# Altium PCB AATB-V2.PcbDoc (part 5 of 5)
Units mm, origin at the board's own origin, x right, y up, seen from the top; angles counter-clockwise.
Board outline 236 x 177 mm, 2 copper layers (Top Layer, Bottom Layer), stack 1.571 mm thick; 302 components, 313 nets, 1275 pads, 1266 vias.
Unrouted connection lines stored in the file: 1.
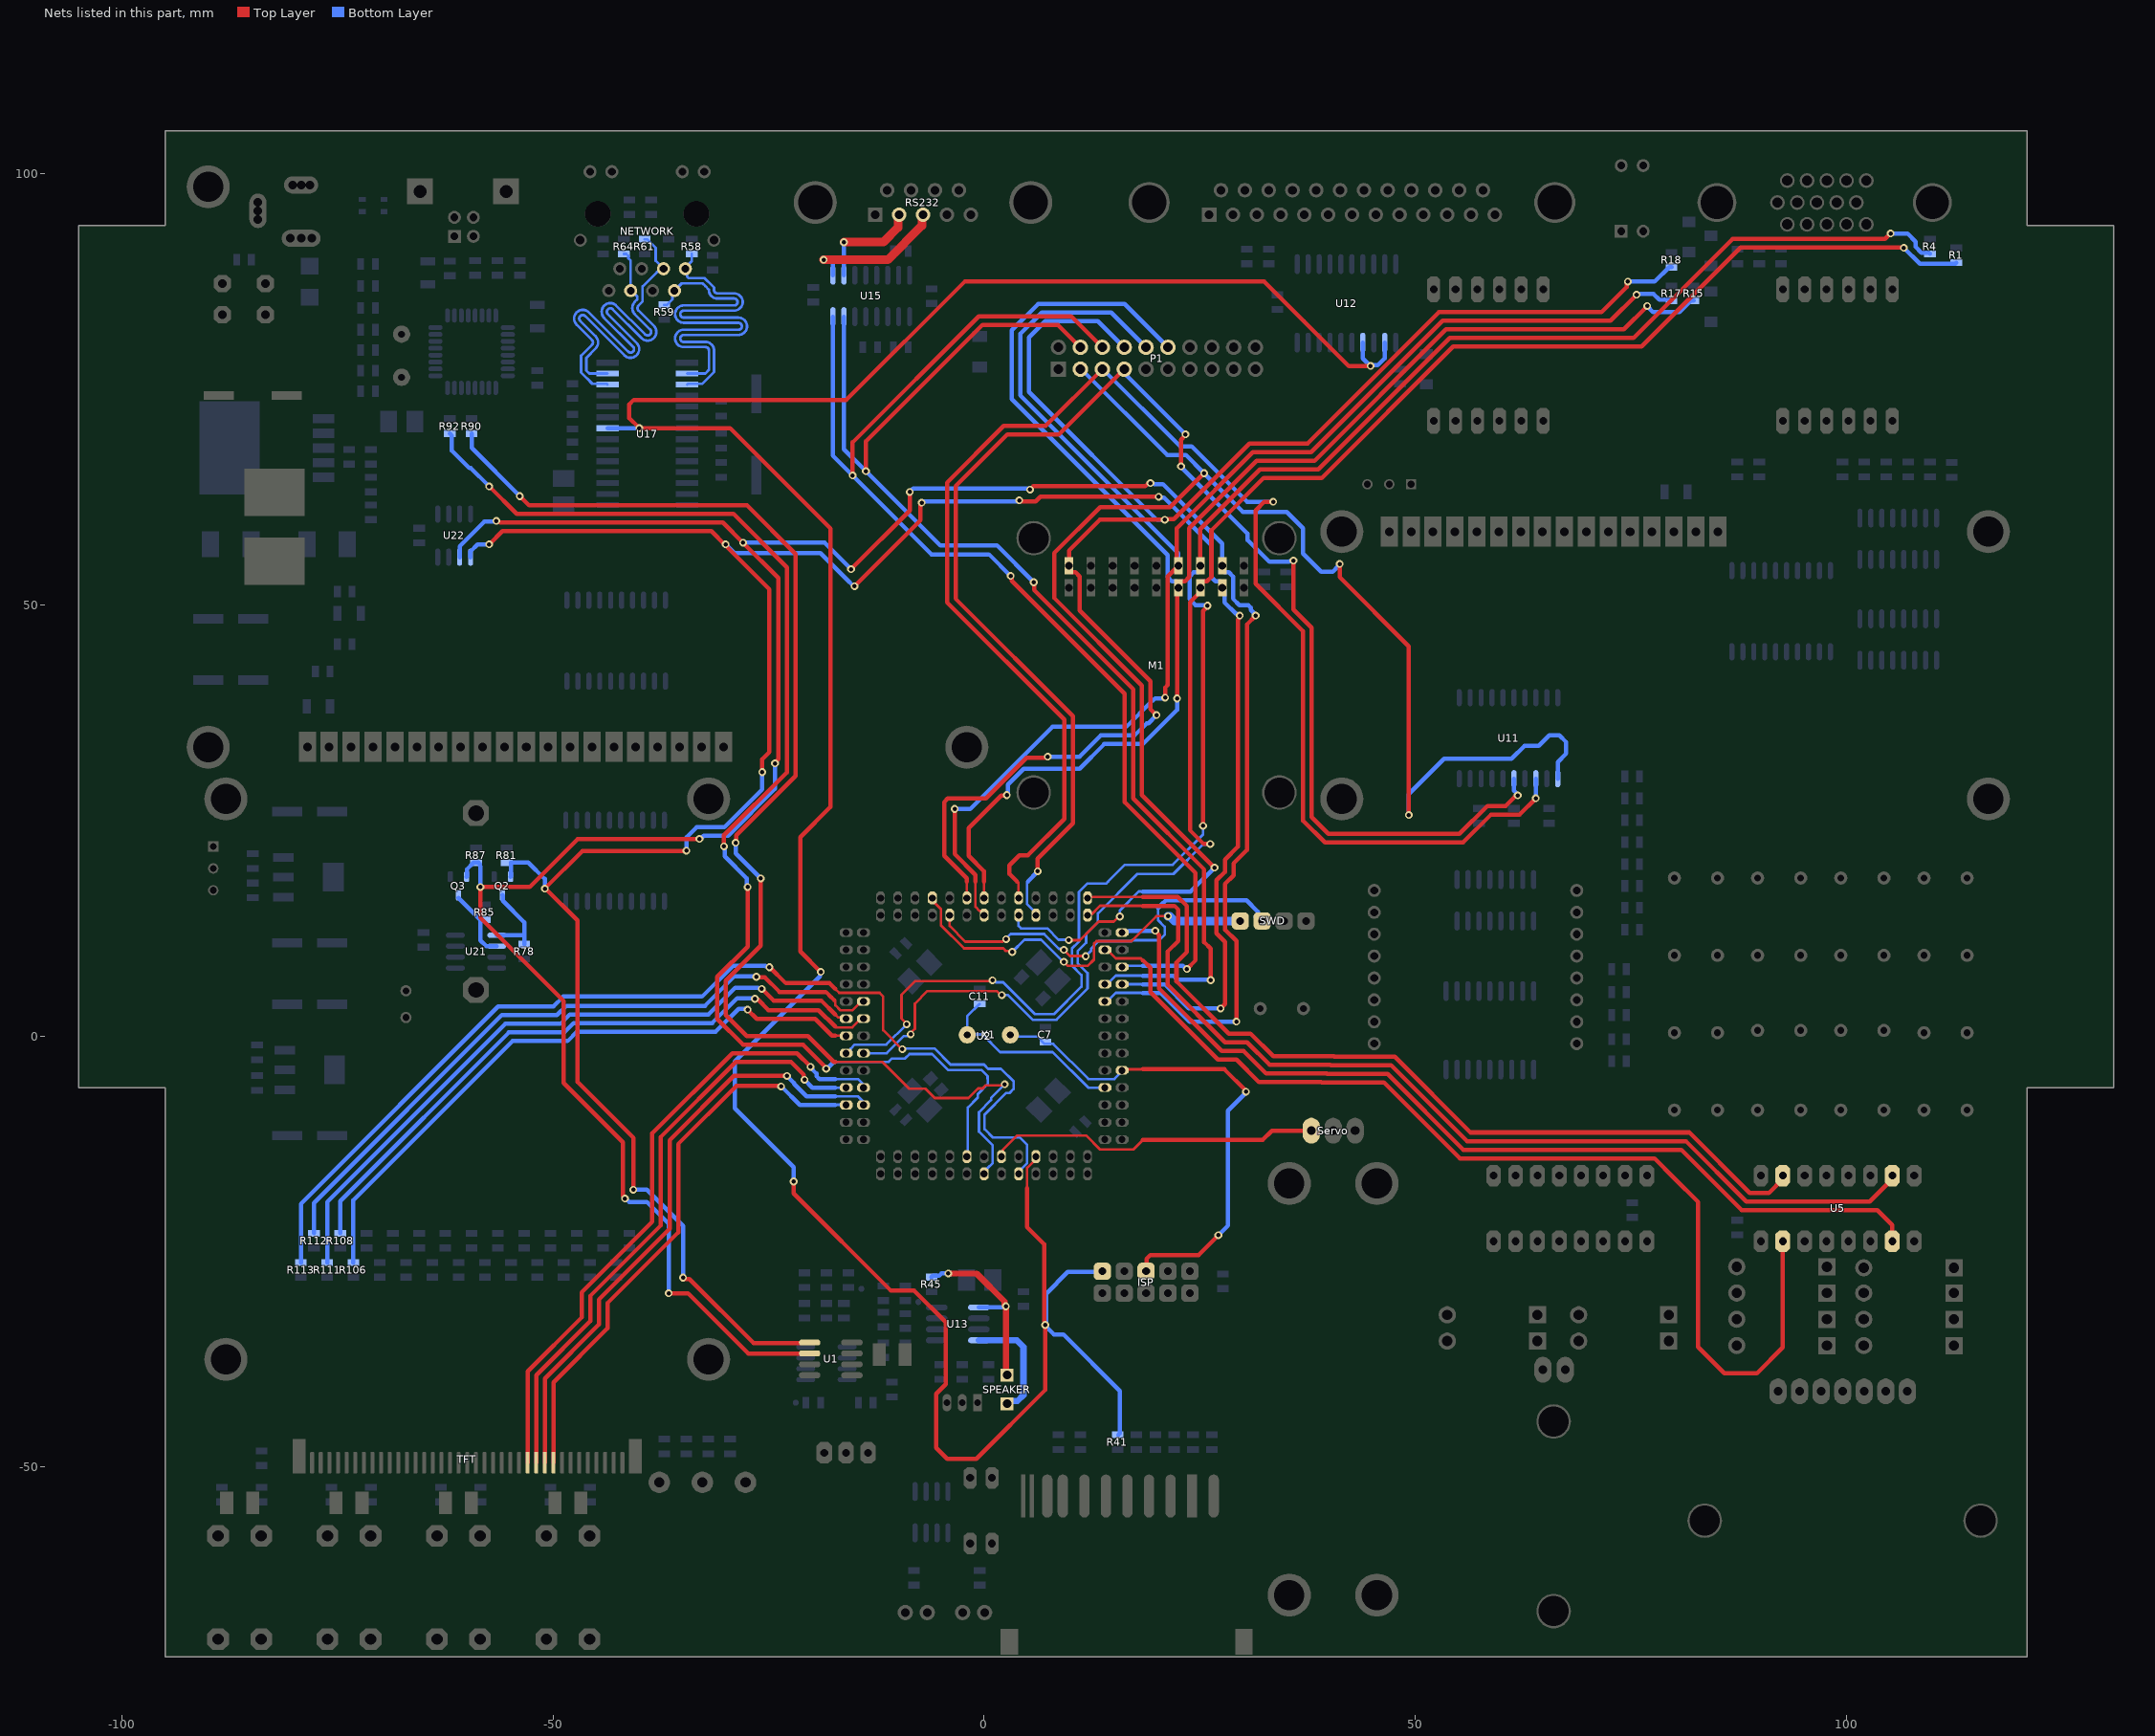
[diagram p5: the nets of this part, all layers, seen from the top]

## Via types
v1: diameter 0.9, hole 0.5, Top Layer to Bottom Layer, tented both sides, 1265 vias
v2: diameter 0.9, hole 0.5, Top Layer to Bottom Layer, 1 vias

## Nets (pads, with @x,y where several pads share a name; then routed paths per layer and width w, separated by ;. In a path a pad name is that pad's centre, name@x,y a point inside that pad or via, vN(x,y) a via of type N, cw(c..) or ccw(c..) an arc to the next point about the centre after c; other vN are vias at no path point) (continued)
ROW6: P1.7 U2.58 U11.15 | length 175.3
  Top Layer w0.5: v1(6.214,19.12) 6.206,19.128 6.206,20.57 10.304,24.668 10.304,37.113 -3.308,50.725 -3.308,63.774 2.685,69.767 8.667,69.767 P1.7@16.252,77.352 ; v1(22.851,66.068) 22.851,69.177 23.364,69.691 v1(23.364,69.799) ; v1(35.88,55.155) 35.88,49.486 38,47.366 38,25.39 39.95,23.44 55.143,23.44 58.403,26.7 60.523,26.7 61.523,27.7 61.596,27.7 61.796,27.9 v1(61.905,27.9)
  Bottom Layer w0.3: 5.075,17.916 5,17.841 5,15.293 6.077,14.216 U2.58@6.077,13.922
  Bottom Layer w0.5: 5.075,17.916 6.214,19.056 v1(6.214,19.12) ; P1.7@16.252,77.352 16.252,77.081 16.592,76.741 16.592,76.571 v1(23.364,69.799) ; v1(22.851,66.068) 22.851,65.99 30.573,58.268 30.573,57.538 33.111,55 35.389,55 35.467,55.078 35.803,55.078 v1(35.88,55.155) ; U11.15@61.464,29.852 61.483,29.833 61.483,28.43 61.905,28.008 v1(61.905,27.9)
ROW7: P1.5 U2.59 U11.13 | length 179.8
  Top Layer w0.3: 3.845,17.916 4,17.761 U2.59@4,16.486
  Top Layer w0.5: 3.845,17.916 2.94,18.821 2.94,19.794 4.106,20.961 4.565,20.961 4.568,20.964 5.076,20.964 9.304,25.192 9.304,36.699 -4.308,50.311 -4.308,64.188 2.271,70.767 7.127,70.767 P1.5@13.712,77.352 ; v1(33.528,61.976) 32.512,61.976 31.5,60.964 31.5,52.452 37,46.952 37,24.976 39.536,22.44 55.558,22.44 58.818,25.7 62.136,25.7 v1(64.004,27.568)
  Bottom Layer w0.5: P1.5@13.712,77.352 13.785,77.352 22.724,68.414 24.083,68.414 30.52,61.976 v1(33.528,61.976) ; v1(64.004,27.568) U11.13@64.004,29.852
ROW8: P1.3 U2.60 U11.11 | length 196.9
  Top Layer w0.3: v1(9.82,11.113) 11.114,11.114 13.287,13.287 15.037,13.287 15.602,13.852 v1(15.744,13.852)
  Top Layer w0.5: v1(25.518,65.282) 21.589,61.353 13.461,61.353 8.124,56.016 8.124,50.826 18.304,40.646 18.304,27.965 v1(26.736,19.533) ; v1(41.245,54.767) 41.245,53.243 49.272,45.216 v1(49.272,25.64)
  Bottom Layer w0.3: U2.60@4,14 4,12.764 4.288,12.476 7.336,12.476 8.636,11.176 9.757,11.176 v1(9.82,11.113) ; v1(15.744,13.852) 15.744,14.562 17.946,16.764 18.432,16.764
  Bottom Layer w0.5: P1.3@11.172,77.352 11.284,77.352 21.222,67.414 23.386,67.414 v1(25.518,65.282) 30.023,60.776 35.113,60.776 37,58.889 37,55.964 39.116,53.848 40.452,53.848 41.058,54.453 41.058,54.47 41.245,54.658 v1(41.245,54.767) ; 18.432,16.764 23.967,16.764 v1(26.736,19.533) ; v1(49.272,25.64) 49.272,28.076 53.352,32.156 61.198,32.156 62.706,33.664 64.336,33.664 65.566,34.894 66.714,34.894 67.525,34.083 67.525,32.764 66.544,31.783 U11.11@66.544,29.852
RXD: P1.4 U2.45 U15.7 | length 145.9
  Top Layer w0.5: v1(-13.716,65.532) -13.716,68.981 -0.201,82.496 8.568,82.496 P1.4@11.172,79.892 ; v1(5.765,52.641) 5.809,52.596 5.809,51.727 17.304,40.232 17.304,27.551 25.536,19.319 25.536,10.884 26.289,10.131 v1(26.289,6.477)
  Bottom Layer w0.3: U2.45@14.504,6.136 14.504,6.211 15.293,7 18.432,7
  Bottom Layer w0.5: U15.7@-16.26,83.448 -16.26,68.076 v1(-13.716,65.532) -5.08,56.896 1.509,56.896 v1(5.765,52.641) ; 18.432,7 21.969,7 22.418,6.551 26.215,6.551 v1(26.289,6.477)
RXD2: R92.2 U2.12 | length 150.5
  Top Layer w0.5: v1(-57.404,63.754) -54.206,60.556 -29.06,60.556 -22.864,54.36 -22.864,30.578 -30.17,23.271 v1(-30.17,21.993) ; v1(-27.432,17.272) -27.432,10.38 -30.96,6.852 -30.96,2.004 -27.95,-1.006 -21,-1.006 -18.312,-3.694 v1(-18.312,-3.8)
  Bottom Layer w0.3: -17.276,-3 -11.088,-3 -10.692,-2.604 -9.162,-2.604 -8.656,-2.098 -6.029,-2.098 -4.163,-3.964 -0.281,-3.964 0.408,-4.652 0.408,-4.933 0.42,-4.945 0.42,-5.58 -0.732,-6.731 -0.732,-7.142 -1.89,-8.3 -1.89,-13.878 U2.12@-2.036,-14.024
  Bottom Layer w0.5: R92.2@-61.98,69.898 -61.73,69.648 -61.73,67.908 -59.691,65.869 -59.519,65.869 v1(-57.404,63.754) ; v1(-30.17,21.993) -30.094,21.916 -30.094,20.856 -27.509,18.271 -27.509,17.349 v1(-27.432,17.272) ; v1(-18.312,-3.8) -18.215,-3.8 -17.415,-3 -17.276,-3
S-RX: RS232.2 U15.10 | length 12.4
  Top Layer w1: v1(-16.26,92.084) -11.688,92.084 -9.986,93.786 -9.986,95.148 RS232.2@-9.854,95.28
  Bottom Layer w0.5: U15.10@-16.26,88.24 U15.10@-16.26,88.248 v1(-16.26,92.084)
S-TX: RS232.3 U15.9 | length 17
  Top Layer w1: v1(-18.616,90.052) -11.18,90.052 -7.216,94.016 -7.216,95.148 RS232.3@-7.084,95.28
  Bottom Layer w0.5: v1(-18.616,90.052) -17.916,90.052 -17.563,89.699 -17.563,89.151 -17.549,89.138 -17.549,88.267 U15.9@-17.53,88.248
SCK: ISP.2 R41.1 U2.20 U12.12 U12.14 U17.8 | length 335.3
  Top Layer w0.3: 5,-17.667 5,-15.293 6,-14.293 U2.20@6,-14
  Top Layer w0.5: v1(-22.095,-16.875) -22.095,-18.257 -10.801,-29.551 -8.092,-29.551 -4.45,-33.193 -4.45,-40.404 -5.564,-41.518 -5.564,-47.776 -4.284,-49.056 -0.906,-49.056 7.112,-41.038 v1@7.112,-33.528 ; v1(-18.948,7.436) -21.324,9.812 -21.324,23.081 -17.816,26.589 -17.816,58.876 -29.457,70.518 v1(-39.989,70.518) -41.152,71.681 -41.152,73.288 -40.644,73.796 -15.972,73.796 -2.256,87.512 32.508,87.512 37.08,82.94 42.296,77.724 v1(44.83,77.724) ; 5,-17.667 5,-22.172 6.962,-24.134 6.962,-33.095 7.035,-33.169 7.035,-33.473 v1(7.087,-33.524)
  Bottom Layer w0.5: U17.8@-43.692,70.494 -40.53,70.494 -40.516,70.508 -39.999,70.508 v1(-39.989,70.518) ; v1(-22.095,-16.875) -22.095,-15.209 -28.912,-8.392 -28.912,-2.953 -19.024,6.934 -19.024,7.36 v1(-18.948,7.436) ; v1(7.087,-33.524) 7.087,-33.615 8.115,-34.644 9.22,-34.644 15.748,-41.172 15.748,-46.108 R41.1@15.598,-46.258 ; v1@7.112,-33.528 7.189,-33.451 7.189,-29.895 9.715,-27.369 13.639,-27.369 ISP.2@13.712,-27.296 ; U12.14@43.938,80.444 43.938,78.616 v1(44.83,77.724) ; v1@44.836,77.724 44.913,77.801 45.657,77.801 46.478,78.622 U12.12@46.478,80.444
SCL: M1.16 Q3.3 R87.1 U1.2 U2.43 U22.6 | length 329.6
  Top Layer w0.5: v1(-56.578,59.754) -56.37,59.754 -56.171,59.556 -30.29,59.556 v1(-27.954,57.22) -23.88,53.146 -23.88,32.545 -23.88,32.109 -24.249,31.74 v1(-24.249,31.632) ; v1(-41.66,-18.855) -41.66,-18.747 -41.884,-18.523 -41.884,-12.34 -48.768,-5.456 -48.768,4.064 -58.424,13.72 -58.424,17.268 v1(-58.42,17.272) -52.728,17.272 -47.14,22.86 v1(-33.02,22.86) ; v1(-36.58,-29.836) -34.332,-29.836 -27.347,-36.821 U1.2@-20.234,-36.821 ; v1(-15.431,54.154) -8.622,60.964 v1(-8.622,63.11) ; v1(5.33,63.382) 5.712,63.764 18.712,63.764 19.092,64.144 v1(19.3,64.144) ; v1(29.276,1.66) 29.276,11.014 27.964,12.326 27.964,17.65 28.936,18.622 28.936,20.042 30.48,21.586 30.48,47.733 31.496,48.749 v1(31.496,48.768)
  Bottom Layer w0.3: U2.43@14.504,4.136 14.504,4.211 15.293,5 18.432,5
  Bottom Layer w0.5: U22.6@-60.837,55.548 -60.837,56.798 -57.963,59.672 -56.661,59.672 v1(-56.578,59.754) ; Q3.3@-60.014,18.483 -59.998,18.499 -59.998,19.323 -59.207,20.114 -58.657,20.114 -58.507,19.964 -58.507,19.754 -58.42,19.667 v1(-58.42,17.272) ; v1(-41.66,-18.855) -41.552,-18.855 -41.167,-19.24 -39.131,-19.24 -36.58,-21.791 v1(-36.58,-29.836) ; v1(-33.02,22.86) -32.917,22.86 -32.527,23.25 -30.192,23.25 -29.692,23.25 -24.249,28.693 v1(-24.249,31.632) ; v1(-27.954,57.22) -18.497,57.22 v1(-15.431,54.154) ; v1(-8.622,63.11) -8.216,63.515 5.197,63.515 v1(5.33,63.382) ; 18.432,5 20.51,5 23.85,1.66 v1(29.276,1.66) ; v1(19.3,64.144) 19.377,64.067 19.659,64.067 19.73,63.997 20.764,63.997 27.62,57.141 M1.16@27.62,54.54 27.62,54.04 27.87,53.79 28.391,53.79 28.87,53.311 28.87,50.729 29.632,49.968 30.645,49.968 30.938,49.675 30.938,49.434 31.496,48.876 v1(31.496,48.768)
SCL-TTL: Q3.1 R85.1 U21.6 | length 8.1
  Bottom Layer w0.5: Q3.1@-60.964,16.008 -58.424,13.468 -58.424,11.097 -57.769,10.442 -56.551,10.442 U21.6@-56.532,10.423
SDA: M1.15 Q2.3 R81.1 U1.1 U2.44 U22.5 | length 307.2
  Top Layer w0.5: v1(-57.408,57.032) -55.884,58.556 -31.638,58.556 -30.045,56.963 -24.896,51.814 -24.896,32.944 -25.724,32.116 v1(-25.724,30.616) ; v1(-50.962,17.095) -46.585,21.472 -34.559,21.472 v1(-34.533,21.498) ; v1@-50.911,17.146 -47.175,13.41 -47.175,-5.313 -40.684,-11.804 v1(-40.684,-17.837) ; v1(-34.917,-28.03) -34.77,-28.177 -34.175,-28.177 -26.749,-35.603 -21.24,-35.603 -21.188,-35.551 U1.1@-20.234,-35.551 ; v1(-15.027,52.169) -7.37,59.826 -7.37,61.725 v1(-7.237,61.858) ; v1(4.078,62.13) 4.212,61.997 5.977,61.997 6.533,62.553 v1(20.249,62.553) ; v1(27.428,3.184) 27.94,3.696 27.94,10.936 26.964,11.912 26.964,18.064 27.936,19.036 27.936,20.456 29.464,21.984 29.464,48.301 29.571,48.408 29.571,48.691 v1(29.648,48.768)
  Bottom Layer w0.3: U2.44@16.504,6.136 16.64,6 18.432,6
  Bottom Layer w0.5: U22.5@-59.567,55.548 -59.567,56.221 -58.756,57.032 v1(-57.408,57.032) ; Q2.3@-54.934,18.483 -54.901,18.516 -54.901,20.081 -54.868,20.114 -52.86,20.114 -50.962,18.216 v1(-50.962,17.095) ; v1(-40.684,-17.837) -40.666,-17.819 -39.137,-17.819 -34.917,-22.04 v1(-34.917,-28.03) ; v1(-34.533,21.498) -34.533,23.044 -33.327,24.25 -30.106,24.25 -25.724,28.632 v1(-25.724,30.616) ; v1(-29.976,57.032) -28.964,56.02 -18.994,56.02 -15.928,52.954 -15.92,52.954 -15.135,52.169 v1(-15.027,52.169) ; v1(-7.237,61.858) -7.1,61.994 3.942,61.994 v1(4.078,62.13) ; 18.432,6 20.924,6 23.74,3.184 v1(27.428,3.184) ; v1(20.249,62.553) 20.326,62.476 20.836,62.476 26.345,56.967 26.345,53.254 26.849,52.75 27.37,52.75 27.62,52.5 M1.15@27.62,52 27.87,51.75 27.87,50.315 29.217,48.968 29.34,48.968 29.54,48.768 v1(29.648,48.768)
SDA-TTL: Q2.1 R78.1 U21.5 | length 9.9
  Bottom Layer w0.5: U21.5@-56.532,11.693 -53.349,11.693 -53.344,11.688 ; Q2.1@-55.884,16.333 -55.834,16.283 -55.834,15.698 -53.344,13.208 -53.344,11.688 ; R78.1@-53.344,10.638 -53.344,11.688
SEM-CONT: Servo.3 U2.16 | length 38
  Top Layer w0.3: U2.16@2.188,-13.702 2.188,-13.186 3.832,-11.542 11.835,-11.542 13.451,-13.158 17.322,-13.158 18.432,-12.048
  Top Layer w0.5: 18.432,-12.048 32.313,-12.048 33.381,-10.98 Servo.3@37.394,-10.98
SP+: SPEAKER.2 U13.8 | length 13.4
  Bottom Layer w0.5: SPEAKER.2@2.674,-42.651 SPEAKER.2@2.979,-42.346
  Bottom Layer w0.74: U13.8@-0.602,-35.297 3.801,-35.297 4.568,-36.064 4.568,-41.66 3.882,-42.346 SPEAKER.2@2.979,-42.346
SP-: R45.1 SPEAKER.1 U13.5 | length 21.8
  Top Layer w0.5: v1@2.389,-31.213 v1(2.536,-31.36) ; SPEAKER.1@2.536,-39.185 SPEAKER.1@2.674,-39.324
  Top Layer w0.7: v1(-4.147,-27.553) -0.873,-27.553 2.389,-30.814 v1@2.389,-31.213 ; SPEAKER.1@2.536,-39.185 v1(2.536,-31.36)
  Bottom Layer w0.5: R45.1@-6.1,-27.97 -5.95,-27.82 -5.226,-27.82 -4.959,-27.553 v1(-4.147,-27.553) ; U13.5@-0.602,-31.487 2.409,-31.487 v1(2.536,-31.36)
STM-IN1: U2.52 U5.2 | length 115.8
  Top Layer w0.3: 12.504,14.136 13.467,15.099 18.432,15.099
  Top Layer w0.5: 18.432,15.099 22.095,15.099 22.536,14.658 22.536,11.045 21.32,9.829 21.32,5.919 27.964,-0.725 30.504,-0.725 33.137,-3.358 40.157,-3.358 40.204,-3.404 47.224,-3.404 56.01,-12.19 81.41,-12.19 88.41,-19.19 102.75,-19.19 105.35,-16.59 U5.2@105.35,-16.19
STM-IN2: U2.51 U5.7 | length 102.3
  Top Layer w0.3: 12.504,16.136 18.432,16.136
  Top Layer w0.5: 18.432,16.136 22.472,16.136 23.536,15.072 23.536,9.743 22.32,8.527 22.32,6.333 28.378,0.275 30.918,0.275 33.551,-2.358 40.572,-2.358 40.618,-2.404 47.638,-2.404 56.424,-11.19 81.824,-11.19 88.824,-18.19 91.05,-18.19 92.65,-16.59 U5.7@92.65,-16.19
STM-IN3: U2.49 U5.10 | length 123.8
  Top Layer w0.3: U2.49@14.504,10.136 14.504,9.789 15.293,9 18.209,9 18.432,8.777
  Top Layer w0.5: 18.432,8.777 19.304,7.905 19.304,5.107 27.136,-2.725 29.273,-2.725 31.906,-5.358 39.128,-5.358 39.174,-5.404 46.396,-5.404 55.182,-14.19 77.754,-14.19 80.042,-16.478 82.804,-19.24 82.804,-36.068 85.852,-39.116 89.662,-39.116 92.65,-36.128 U5.10@92.65,-23.81
STM-IN4: U2.50 U5.15 | length 109.1
  Top Layer w0.5: v1(19.852,12.201) 19.852,12.175 20.32,11.708 20.32,5.505 27.55,-1.725 30.09,-1.725 32.723,-4.358 39.743,-4.358 39.789,-4.404 46.81,-4.404 55.596,-13.19 80.886,-13.19 87.886,-20.19 103.634,-20.19 105.35,-21.906 U5.15@105.35,-23.81
  Bottom Layer w0.5: U2.50@16,12 16.146,12.146 16.739,12.146 16.793,12.201 v1(19.852,12.201)
SWCLK: SWD.1 U2.69 | length 45.1
  Top Layer w0.3: U2.69@-6,16 -6,15.707 -5,14.707 -5,12.849 -2.328,10.177 2.215,10.177 2.527,9.865 3.15,9.865 v1(3.265,9.75) ; v1(9.25,8.602) v1(9.25,8.602) 9.726,8.128 12.013,8.128 12.75,8.865 12.75,10.718 13.032,11 17.096,11 19.995,13.899 v1(21.336,13.899)
  Bottom Layer w0.3: v1(3.265,9.75) 4.691,11.176 6.616,11.176 9.19,8.602 v1(9.25,8.602)
  Bottom Layer w1: v1(21.336,13.899) 21.534,13.899 22.089,13.344 SWD.1@29.714,13.344
SWDIO: SWD.2 U2.68 | length 46.8
  Top Layer w0.3: U2.68@-4,14 -4,12.768 -2.178,10.946 2.17,10.946 2.466,11.242 v1(2.553,11.242) ; v1(9.25,10.001) 9.965,9.286 11.772,9.286 v1(11.8,9.258)
  Bottom Layer w0.3: v1(2.553,11.242) 2.553,11.295 3.083,11.826 6.97,11.826 8.681,10.115 9.135,10.115 v1(9.25,10.001) ; v1(11.8,9.258) 11.8,9.295 12.418,9.913 12.418,10.125 13.293,11 17.096,11 17.197,11.101 18.432,11.101 20.308,11.101 20.952,11.745 20.952,12.656 20.186,13.423 20.186,14.7 20.198,14.712 20.198,14.854
  Bottom Layer w0.5: 20.198,14.854 20.584,15.24 21.092,15.748 30.431,15.748 31.754,14.425 SWD.2@31.754,13.844
  Bottom Layer w1: SWD.2@31.754,13.844 SWD.2@32.254,13.344
TFT-CSX: R113.2 U2.17 | length 125.5
  Top Layer w0.3: -17.276,5.461 -16.815,5 -12.112,5 -11.702,4.59 -11.702,0.658 -9.519,-1.525 v1(-9.471,-1.525)
  Top Layer w0.5: v1(-24.892,7.976) -24.853,7.976 -22.997,6.12 -17.935,6.12 -17.276,5.461
  Bottom Layer w0.3: v1(-9.471,-1.525) -9.394,-1.448 -5.76,-1.448 -3.894,-3.314 -0.011,-3.314 0.484,-3.809 1.971,-3.809 3.433,-5.272 3.433,-5.607 3.427,-5.613 3.427,-6.163 2.986,-6.604 2.564,-6.604 0.06,-9.108 0.06,-10.794 1.044,-11.778 4.158,-11.778 5,-12.62 5,-14.75 4,-15.75 U2.17@4,-16
  Bottom Layer w0.5: R113.2@-79.252,-26.28 -79.252,-19.472 -56.368,3.412 -49.964,3.412 -48.804,4.572 -32.721,4.572 -29.149,8.144 -25.343,8.144 -25.251,8.053 -24.969,8.053 v1(-24.892,7.976)
TFT-DCX: R112.2 U2.85 | length 80.5
  Top Layer w0.3: -17.276,4.054 -17.25,4.028 -17.25,3.543 -16.707,3 -15.25,3 -14.25,4 U2.85@-14,4
  Top Layer w0.352: -17.35,4.128 -17.276,4.054
  Top Layer w0.5: v1(-26.419,6.867) -26.342,6.791 -25.404,6.791 -23.733,5.12 -18.349,5.12 -17.69,4.461 -17.683,4.461 -17.35,4.128
  Bottom Layer w0.5: R112.2@-77.728,-22.89 -77.728,-19.362 -55.954,2.412 -49.55,2.412 -48.454,3.508 -32.371,3.508 -28.935,6.944 -26.495,6.944 v1(-26.419,6.867)
TFT-RDX: R108.2 U2.87 | length 76
  Top Layer w0.3: -17.276,1.084 -17.192,1 -16.707,1 -15.293,1 -14.293,2 U2.87@-14,2
  Top Layer w0.5: v1(-26.577,4.319) -26.501,4.243 -26.276,4.243 -26.221,4.188 -26.196,4.188 -25.002,2.994 -19.186,2.994 -17.276,1.084
  Bottom Layer w0.5: R108.2@-74.68,-22.89 -74.68,-19.142 -55.126,0.412 -48.722,0.412 -47.626,1.508 -31.542,1.508 -28.662,4.388 -26.646,4.388 v1(-26.577,4.319)
TFT-RSTX: R106.2 U2.88 | length 75.3
  Top Layer w0.3: -17.276,0.055 U2.88@-15.609,0.055
  Top Layer w0.5: v1(-27.434,3.05) -26.378,1.994 -19.6,1.994 -17.662,0.055 -17.276,0.055
  Bottom Layer w0.5: R106.2@-73.156,-26.28 -73.156,-19.033 -54.711,-0.588 -48.307,-0.588 -47.211,0.508 -31.128,0.508 -28.468,3.168 -27.914,3.168 -27.873,3.127 -27.511,3.127 v1(-27.434,3.05)
TFT-WRX: R111.2 U2.86 | length 79
  Top Layer w0.3: -17.276,2.498 -16.924,2.146 -16.146,2.146 U2.86@-16,2
  Top Layer w0.5: v1(-25.78,5.47) -24.43,4.12 -18.898,4.12 -17.276,2.498
  Bottom Layer w0.5: R111.2@-76.204,-26.28 -76.204,-19.252 -55.54,1.412 -49.136,1.412 -48.04,2.508 -31.956,2.508 -28.876,5.588 -26.181,5.588 -26.14,5.547 -25.857,5.547 v1(-25.78,5.47)
Touch+X: TFT.27 U2.94 | length 71
  Top Layer w0.5: TFT.27@-51.952,-49.5 -51.952,-39.332 -45.688,-33.068 -45.688,-30.16 -37.484,-21.956 -37.484,-11.697 -28.794,-3.006 -22.394,-3.006 -20.923,-4.477 -20.905,-4.495 -20.905,-5.003 v1(-20.828,-5.08)
  Bottom Layer w0.3: -17.276,-6 -15.632,-6 U2.94@-15.496,-5.864
  Bottom Layer w0.5: v1(-20.828,-5.08) -19.908,-6 -17.276,-6
Touch+Y: TFT.26 U2.95 | length 74.6
  Top Layer w0.5: TFT.26@-52.952,-49.5 -52.952,-38.917 -46.688,-32.653 -46.688,-29.745 -38.484,-21.541 -38.484,-11.282 -29.208,-2.006 -21.697,-2.006 v1(-20.124,-3.579)
  Bottom Layer w0.3: -17.276,-5 -14.61,-5 U2.95@-13.746,-5.864
  Bottom Layer w0.5: v1(-20.124,-3.579) -20.124,-3.687 -19.449,-4.362 -19.449,-4.646 -19.095,-5 -17.276,-5
Touch-X: TFT.29 U2.96 | length 66.5
  Top Layer w0.5: TFT.29@-49.952,-49.5 -49.952,-40.16 -43.688,-33.896 -43.688,-30.988 -35.484,-22.784 -35.484,-12.525 -28.763,-5.804 -23.595,-5.804 v1(-23.541,-5.858)
  Bottom Layer w0.3: -17.276,-8 -17.252,-7.976 U2.96@-15.608,-7.976
  Bottom Layer w0.5: v1(-23.541,-5.858) -23.503,-5.858 -21.36,-8 -17.276,-8
Touch-Y: TFT.28 U2.97 | length 70.6
  Top Layer w0.5: TFT.28@-50.952,-49.5 -50.952,-39.746 -44.688,-33.482 -44.688,-30.574 -36.484,-22.37 -36.484,-12.111 -29.007,-4.633 v1(-22.862,-4.633)
  Bottom Layer w0.3: -17.276,-7 -17.135,-7 -14.61,-7 U2.97@-13.746,-7.864
  Bottom Layer w0.5: v1(-22.862,-4.633) -22.862,-4.639 -22.028,-5.473 -22.028,-5.577 -20.605,-7 -17.276,-7
TPIN_N: NETWORK.6 R64.2 U17.12 | length 45.8
  Bottom Layer w0.3: -47.265,82.52 cw(c-46.556,83.231) -47.266,83.941 cw(c-46.556,83.231) -45.947,84.029 -45.934,84.029 -41.298,79.392 ccw(c-41.013,79.679) -40.727,79.392 ; -47.265,82.52 -45.491,80.746 cw(c-45.776,80.459) -45.491,80.173 -46.479,79.185 ccw(c-46.268,78.972) -46.48,79.183 -46.74,78.924 -46.74,78.808 -46.74,76.958 -46.226,76.444 -46.001,76.22 -45.442,75.66 -43.778,75.66 U17.12@-43.692,75.574 ; R64.2@-41.787,90.726 -41.512,90.726 -41.262,90.476 -41.262,90.201 -40.993,89.932 NETWORK.6@-40.993,86.467 -40.928,86.467 -40.228,85.767 -40.228,85.504 -40.228,85.436 -40.511,85.153 ccw(c-39.802,84.442) -40.511,83.73 -38.737,81.957 ; -40.729,79.966 -44.061,83.298 cw(c-43.352,84.009) -44.062,84.719 cw(c-43.352,84.009) -42.743,84.807 -42.73,84.807 -39.307,81.384 ccw(c-39.022,81.67) -38.737,81.956 ; -40.728,79.965 cw(c-41.013,79.679) -40.727,79.393
TPIN_P: NETWORK.3 R61.2 U17.13 | length 47.7
  Bottom Layer w0.3: -46.843,83.516 ccw(c-46.556,83.231) -46.843,82.946 -45.067,81.17 cw(c-45.776,80.459) -45.067,79.748 -46.055,78.76 cw(c-46.268,78.972) -46.056,78.759 -46.14,78.675 -46.14,78.208 -46.14,77.207 -45.777,76.844 U17.13@-43.692,76.844 ; -46.842,83.517 cw(c-46.556,83.231) -46.27,83.516 -41.724,78.97 ccw(c-41.013,79.679) -40.303,78.969 ccw(c-41.013,79.679) -40.215,80.288 -40.215,80.301 -43.639,83.724 cw(c-43.352,84.009) -43.638,84.295 ; -43.638,84.295 cw(c-43.352,84.009) -43.066,84.294 -39.733,80.961 ccw(c-39.022,81.67) -38.312,80.96 ccw(c-39.022,81.67) -38.224,82.279 -38.224,82.292 -40.087,84.155 cw(c-39.802,84.442) -40.088,84.727 ; -40.087,84.728 -39.77,85.045 -39.628,85.187 -39.628,86.864 -39.615,86.877 -39.615,86.948 -37.927,88.637 -37.885,88.637 -37.514,89.007 NETWORK.3@-37.183,89.007 -38.1,89.924 -38.1,91.427 -39.099,92.426 R61.2@-39.374,92.426
TPOUT_N: NETWORK.2 R59.1 U17.16 | length 45.9
  Bottom Layer w0.3: R59.1@-37.088,84.806 -36.813,84.806 -36.147,85.472 -36.147,86.233 NETWORK.2@-35.913,86.467 -35.069,87.311 -32.655,87.311 -32.349,87.004 -31.924,86.58 -31.924,86.554 ccw(c-30.92,86.554) -30.92,85.55 -29.007,85.55 cw(c-29.007,85.146) -29.007,84.742 -34.84,84.742 ccw(c-34.84,83.738) -34.84,82.734 -28.499,82.734 cw(c-28.499,82.33) -28.499,81.926 -34.84,81.926 ccw(c-34.84,80.922) -34.84,79.918 -32.328,79.918 cw(c-32.328,79.514) -31.924,79.514 -31.924,78.048 -31.924,77.474 -31.924,77.268 -32.349,76.844 U17.16@-34.442,76.844
TPOUT_P: NETWORK.1 R58.1 U17.17 | length 47.2
  Bottom Layer w0.3: U17.17@-34.442,75.574 -34.364,75.652 -32.692,75.652 -31.324,77.02 -31.324,77.474 -31.324,78.048 -31.324,79.514 ccw(c-32.328,79.514) -32.328,80.518 -34.84,80.518 cw(c-34.84,80.922) -34.84,81.326 -28.499,81.326 ccw(c-28.499,82.33) -28.499,83.334 -34.84,83.334 cw(c-34.84,83.738) -34.84,84.142 -29.007,84.142 ccw(c-29.007,85.146) -29.007,86.15 -30.92,86.15 cw(c-30.92,86.554) -31.324,86.554 -31.324,86.828 -31.5,87.004 -32.407,87.911 -34.274,87.911 -34.449,88.086 -34.449,88.813 NETWORK.1@-34.643,89.007 -34.643,89.135 -33.903,89.876 R58.1@-33.903,90.726
TXD: P1.6 U2.46 U15.8 | length 144.9
  Top Layer w0.5: v1(-15.24,65.024) -15.244,65.028 -15.244,68.867 -0.615,83.496 10.108,83.496 P1.6@13.712,79.892 ; v1(3.077,53.37) 3.224,53.222 3.224,52.788 16.304,39.708 16.304,27.137 24.536,18.905 24.536,8.784 v1(23.52,7.768)
  Bottom Layer w0.3: U2.46@16.504,8.136 18.432,8.136
  Bottom Layer w0.5: U15.8@-17.53,83.448 -17.53,67.314 v1(-15.24,65.024) -6.096,55.88 0.567,55.88 v1(3.077,53.37) ; 18.432,8.136 23.044,8.136 23.412,7.768 v1(23.52,7.768)
TXD2: R90.1 U2.13 | length 152.6
  Top Layer w0.3: -17.276,-3 -11.829,-3 -8.713,-6.116 -6.805,-6.116 -5.721,-7.2 -1.822,-7.2 -0.701,-6.079 -0.177,-6.079 0.193,-5.709 2.279,-5.709 v1(2.394,-5.594)
  Top Layer w0.5: v1(-53.852,62.62) -52.788,61.556 -27.498,61.556 -21.864,55.922 -21.864,30.163 -28.747,23.28 -28.747,22.498 v1(-28.823,22.421) ; v1(-25.908,18.288) -25.908,10.489 -29.96,6.437 -29.96,2.418 -27.535,-0.006 -20.428,-0.006 -18.435,-2 -18.415,-2 -17.415,-3 -17.276,-3
  Bottom Layer w0.3: U2.13@0.356,-15.376 1,-14.731 1,-12.684 -0.59,-11.094 -0.59,-8.839 0.809,-7.44 0.809,-7.179 v1(2.394,-5.594)
  Bottom Layer w0.5: R90.1@-59.44,69.898 -59.44,68.208 v1(-53.852,62.62) ; v1(-28.823,22.421) -28.784,22.382 -28.784,21.164 v1(-25.908,18.288)
VGA-B: M1.11 P1.12 R15.2 U2.63 | length 190.5
  Top Layer w0.3: U2.63@0,16 0,17.916
  Top Layer w0.5: 0,17.916 0,19.107 -1.779,20.886 -1.779,24.129 1.989,27.897 2.572,27.897 v1(2.629,27.954) ; v1(22.388,39.152) 22.422,39.185 22.422,51.882 M1.11@22.54,52 ; M1.11@22.54,52.5 22.79,52.75 23.311,52.75 23.79,53.229 23.79,58.911 31.597,66.718 38.349,66.718 53.599,81.968 74.208,81.968 v1(76.921,84.681)
  Bottom Layer w0.5: v1(2.629,27.954) 2.776,28.101 2.776,29.165 4.611,31 11.078,31 13.938,33.86 18.405,33.86 22.388,37.843 v1(22.388,39.152) ; P1.12@21.332,79.892 16.284,84.94 6.28,84.94 3.215,81.875 3.215,73.886 21.29,55.811 21.29,53.229 21.769,52.75 22.29,52.75 22.54,52.5 M1.11@22.54,52 ; v1(76.921,84.681) 76.921,84.634 77.599,83.956 80.669,83.956 82.017,85.304 R15.2@82.292,85.304
VGA-G: M1.12 P1.10 R17.2 U2.64 | length 184.4
  Top Layer w0.3: -1,17.916 -1,17.7 -1,15 -0.518,14.518 -0.43,14.518 0,14.088 U2.64@0,14
  Top Layer w0.5: v1(-3.42,26.344) -3.42,21.112 -1,18.692 -1,17.916 ; v1(20.992,39.252) 21.04,39.3 21.04,40.452 21.29,40.702 21.29,53.311 22.519,54.54 M1.12@22.54,54.54 ; M1.12@22.348,54.732 22.348,58.883 31.183,67.718 37.935,67.718 53.185,82.968 72.668,82.968 v1(75.688,85.988)
  Bottom Layer w0.5: v1(-3.42,26.344) -1.596,26.344 7.92,35.86 16.488,35.86 19.495,38.867 19.542,38.867 19.85,39.175 20.915,39.175 v1(20.992,39.252) ; P1.10@18.792,79.892 14.744,83.94 6.694,83.94 4.215,81.461 4.215,74.3 22.518,55.997 22.518,54.562 M1.12@22.54,54.54 ; v1(75.688,85.988) 75.766,86.066 77.67,86.066 78.327,85.409 79.647,85.409 R17.2@79.752,85.304
VGA-HSYNC: M1.13 R1.2 U2.91 | length 199.8
  Top Layer w0.3: v1(-8.508,0.199) -8.508,0.362 -8.036,0.834 -8.036,3.757 -6.577,5.216 1.441,5.216 1.908,4.75 v1(2.07,4.75)
  Top Layer w0.5: v1(26.232,22.264) 25.488,22.264 23.876,23.876 23.876,50.296 25.08,51.5 25.08,52.5 25.33,52.75 25.851,52.75 26.37,53.269 26.37,58.662 32.425,64.718 39.178,64.718 54.428,79.968 76.272,79.968 87.76,91.456 106.664,91.456 v1(106.68,91.44)
  Bottom Layer w0.3: U2.91@-13.496,-1.864 -13.4,-1.96 -13.4,-2 -11.289,-2 -9.289,0 -8.87,0 -8.671,0.199 v1(-8.508,0.199) ; v1(2.07,4.75) 2.773,4.75 5.633,1.89 8.397,1.89 12.005,5.498 12.005,7.299 10.85,8.454 10.85,9.834 11.834,10.818 11.834,11.834 13.208,13.208 13.208,14.224 17.78,18.796 21.959,18.796 25.332,22.168 26.136,22.168 v1(26.232,22.264)
  Bottom Layer w0.5: v1(106.68,91.44) 108.544,89.576 112.638,89.576 R1.2@112.772,89.71
VGA-R: M1.2 P1.8 R18.2 U2.65 | length 189.7
  Top Layer w0.3: U2.65@-2,16 -2,17.916
  Top Layer w0.5: -2,17.916 -2,18.278 -4.62,20.898 -4.62,27.143 -4.218,27.544 0.222,27.544 4.935,32.258 7.244,32.258 v1(7.391,32.405) ; v1(19.992,37.221) 19.304,37.909 19.304,41.148 11.09,49.362 11.09,53.311 10.611,53.79 10.09,53.79 9.84,54.04 9.84,56.29 13.431,59.881 v1(20.962,59.881) 21.039,59.957 22.008,59.957 30.769,68.718 37.521,68.718 52.771,83.968 71.636,83.968 74.525,86.857 74.525,87.365 v1(74.672,87.512)
  Bottom Layer w0.5: v1(7.391,32.405) 7.395,32.409 11.073,32.409 13.524,34.86 17.446,34.86 18.874,36.288 19.059,36.288 v1(19.992,37.221) ; P1.8@16.252,79.892 13.204,82.94 7.108,82.94 5.215,81.047 5.215,74.714 20.048,59.881 v1(20.962,59.881) ; v1(74.672,87.512) 77.787,87.512 79.477,89.202 R18.2@79.752,89.202
VGA-VSYNC: M1.14 R4.2 U2.90 | length 203.8
  Top Layer w0.3: v1(-8.986,1.355) -8.986,1.427 -9.586,2.027 -9.586,4.778 -7.982,6.382 0.894,6.382 v1(0.968,6.456)
  Top Layer w0.5: M1.14@25.08,54.54 25.08,58.787 32.011,65.718 38.764,65.718 54.013,80.968 75.349,80.968 86.838,92.456 104.508,92.456 v1(105.152,93.1) ; v1(25.4,24.384) 25.4,49.298 25.906,49.805 v1(25.906,49.913)
  Bottom Layer w0.3: U2.90@-16,-2 -15.912,-2 -15.482,-1.57 -15.482,-1.482 -15,-1 -11.34,-1 v1(-8.986,1.355) ; v1(0.968,6.456) 1.13,6.456 1.355,6.232 2.21,6.232 5.902,2.54 8.128,2.54 11.3,5.712 11.3,7.085 10.2,8.185 10.2,10.15 11,10.95 11,16.707 11.967,17.674 14.155,17.674 14.397,17.916 16.34,19.859 21.891,19.859 25.4,23.368 v1(25.4,24.384)
  Bottom Layer w0.5: M1.14@25.08,54.54 25.08,54.04 24.83,53.79 24.309,53.79 23.83,53.311 23.83,50.689 24.521,49.998 25.821,49.998 v1(25.906,49.913) ; v1(105.152,93.1) 107.111,93.1 108.061,92.15 108.061,91.552 108.737,90.876 109.574,90.876 R4.2@109.724,90.726
XTAL1: C7.2 ISP.6 U2.34 X1.1 | length 59.8
  Top Layer w0.3: U2.34@16.504,-3.864 18.432,-3.864
  Top Layer w0.5: 18.432,-3.864 27.872,-3.864 30.374,-6.366 v1(30.374,-6.464) ; ISP.6@18.792,-27.296 18.865,-27.223 18.865,-25.839 19.304,-25.4 24.892,-25.4 v1(27.178,-23.114)
  Bottom Layer w0.3: X1.1@3.044,0.136 3.261,-0.081 6.309,-0.081 6.583,-0.355 6.583,-0.464 7.03,-0.911 8.023,-0.911 12.112,-5 15.118,-5 U2.34@16.254,-3.864
  Bottom Layer w0.5: v1(27.178,-23.114) 28.294,-21.998 28.294,-8.65 30.374,-6.57 v1(30.374,-6.464)
XTAL2: C11.1 U2.33 X1.2 | length 22.7
  Bottom Layer w0.3: C11.1@-0.508,3.722 -1.956,2.274 X1.2@-1.956,0.136 -1.918,0.174 -0.174,0.174 1.859,-1.859 7.955,-1.859 12.096,-6 U2.33@14,-6
pads on no net: "DC Motor.7" CARD.0 CARD.8 CARD.9 CARD.sw1 CARD.sw2 ISP.7 ISP.8 M1. NETWORK. NETWORK.7 P1.18 RS232.1 RS232.4 RS232.6 RS232.7 RS232.8 RS232.9 STK200/300.1 STK200/300.13 STK200/300.14 STK200/300.15 STK200/300.16 STK200/300.17 TFT.0 TFT.38 U2.92 U2.93 U2.98 U4.1 U4.2 U4.3 U4.6 U4.7 U6.6 U6.7 U6.9 U7.2@88.011,53.976 U7.4@90.551,53.976 U7.16@91.821,44.576 U7.18 U9.11 U9.12 U10.10 U12.16 U14.5 U14.6 U14.7 U15.11 U15.12 U15.13 U15.14 U17.3 U18.2 U18.18 U20.1 U20.2 U20.10 U20.15 U20.16 U20.18 U20.19 U20.20 U20.21 U20.22 U20.23 U20.32 U21.7 VGA.4 VGA.9 VGA.11 VGA.12 VGA.15

## Polygon pours and split planes (outlines as drawn)
GND on Top Layer "Top Layer-No Net" (solid, remove dead copper, pour order 1000): -95,-71.7 -94.7,-72 120.775,-72 120.775,103.775 121,104 120.475,103.475 -95,103.475 -95,-71.375
GND on Bottom Layer "BOTTOM Layer-No Net" (solid, remove dead copper, pour order 1001): -95,-72 121,-72 121,103.875 120.875,104 -95,104 -95,-72

## Keep-outs
Keep-Out Layer:
  lines w0.3: -105,-6 -95,-6 -95,-72 121,-72 121,-6 131,-6 131,94 121,94 121,104 -95,104 -95,94 -105,94 -105,-6

## Other copper
Top Layer:
  region net NetD25_2: -74.93,58.676 -78.3,58.676 -78.309,58.674 -85.852,58.674 -85.852,59.814 -82.55,59.814 -82.55,63.064 -82.55,66.314 -85.85,66.314 -85.85,73.406 -83.14,73.406 -83.14,73.304 -78.64,73.304 -78.64,73.406 -74.93,73.406 hole: -78.3,66.314 -82.05,66.314 -82.05,63.314 -78.3,63.314 hole: -78.3,62.814 -82.05,62.814 -82.05,59.814 -78.3,59.814
  region net +5V: 25.908,-63.754 22.606,-67.056 3.302,-67.056 3.302,-66.294 2.286,-65.278 0,-65.278 -0.508,-65.504 -1.542,-66.045 -0.934,-65.581 -1.527,-66.037 -2.006,-67.056 -1.72,-66.875 -1.72,-65.504 -2.006,-65.581 -2.176,-65.679 -2.286,-65.615 -2.286,-65.278 -1.016,-64.008 23.622,-64.008 24.892,-62.738
  region net +5V: -24.521,-40.699 -24.505,-40.767 -24.627,-40.979 -24.659,-41.096 -23.742,-41.096 -23.742,-41.346 -23.492,-41.346 -23.492,-42.262 -23.375,-42.231 -23.159,-42.106 -22.982,-41.929 -22.857,-41.712 -22.792,-41.471 -22.792,-41.221 -22.821,-41.113 -22.707,-41.047 -20.828,-42.926 -20.828,-44.958 -24.13,-48.26 -28.956,-48.26 -29.21,-48.006 -29.21,-46.99 -27.94,-46.99 -26.162,-45.212 -26.162,-41.656 -25.146,-40.64 -24.546,-40.64 hole: -23.992,-41.596 -24.659,-41.596 -24.627,-41.712 -24.502,-41.929 -24.325,-42.106 -24.109,-42.231 -23.992,-42.262
  region net +5V: -68.567,56.016 -68.567,47.496 -73.078,42.986 -73.228,43.015 -73.295,43.176 -73.455,43.385 -73.664,43.545 -73.907,43.646 -74.052,43.665 -74.098,43.799 -73.808,44.09 -73.697,44.255 -73.658,44.45 -73.658,58.166 -68.567,58.166
  region net +5V: -51.425,49.647 -51.474,49.53 -52.671,49.53 -52.677,49.534 -52.862,49.611 -52.961,49.624 -53.06,49.637 -57.872,49.637 -58.071,49.611 -58.255,49.534 -58.261,49.53 -58.928,49.53 -60.706,47.752 -60.706,45.974 -64.338,42.342 -64.419,42.308 -64.576,42.188 -70.442,36.322 -79.756,36.322 -80.264,35.814 -80.264,31.496 -79.248,30.48 -73.152,30.48 -70.612,27.94 -70.612,23.876 -75.438,23.876 -82.317,30.755 -82.317,38.082 -82.028,38.371 -74.054,38.371 -73.76,38.4 -73.477,38.485 -73.217,38.625 -72.988,38.812 -65.994,45.806 -65.807,46.035 -65.667,46.295 -65.582,46.578 -65.553,46.872 -65.553,56.016 -65.553,58.166 -59.944,58.166
  region net +5V: -37.846,-39.116 -36.322,-40.64 -36.576,-40.894 -36.576,-41.744 -36.693,-41.793 -41.148,-37.338 -41.148,-29.518 -38.554,-26.924 -37.846,-26.924
  region net +5V: -52.832,-17.018 -42.672,-17.018 -42.672,-21.844 -63.5,-21.844 -72.898,-12.446 -72.898,-2.54 -67.31,-2.54
  region net +3V3: 26.141,-30.029 26.258,-29.998 26.306,-29.97 26.416,-30.034 26.416,-33.782 18.034,-42.164 13.716,-42.164 13.184,-42.696 13.126,-42.703 12.944,-42.779 12.787,-42.899 6.934,-48.753 4.199,-48.753 4.003,-48.778 3.937,-48.806 3.81,-48.721 3.81,-47.435 6.033,-45.212 8.89,-45.212 15.494,-38.608 15.494,-31.407 15.589,-31.323 15.752,-31.345 16.002,-31.345 16.002,-29.836 16.502,-29.836 16.502,-31.345 16.752,-31.345 16.891,-31.326 17.018,-31.438 17.018,-32.512 19.05,-34.544 23.368,-34.544 25.4,-32.512 25.4,-30.053 25.51,-29.989 25.525,-29.998 25.641,-30.029 25.641,-29.113 26.141,-29.113
  region net +3V3: 11.821,-61.331 9.906,-63.246 1.278,-63.246 1.267,-63.119 2.032,-62.992 3.81,-61.214 11.772,-61.214
  region net GND: -89.54,84.719 -89.856,84.403 -89.856,83.903 -88.356,83.903 -86.856,83.903 -86.856,84.403 -87.131,84.678 -87.08,84.797 -86.895,84.72 -86.728,84.609 -86.587,84.468 -86.476,84.301 -86.399,84.116 -86.36,83.92 -86.36,83.82 -86.36,63.5 -86.36,63.4 -86.399,63.204 -86.476,63.019 -86.587,62.852 -86.728,62.711 -86.895,62.6 -87.08,62.523 -87.276,62.484 -93.432,62.484 -93.767,62.551 -94.083,62.681 -94.367,62.871 -94.488,62.992 -94.937,63.441 -95.215,63.857 -95.406,64.319 -95.504,64.81 -95.504,65.06 -95.504,78.704 -95.504,78.954 -95.406,79.445 -95.215,79.907 -94.937,80.323 -94.76,80.5 -91.168,84.092 -90.991,84.269 -90.575,84.547 -90.113,84.738 -89.622,84.836 -89.589,84.836 hole: -86.856,83.403 -88.106,83.403 -88.106,82.153 -87.606,82.153 -86.856,82.903 hole: -88.606,83.403 -89.856,83.403 -89.856,82.903 -89.106,82.153 -88.606,82.153 hole: -86.54,75.304 -88.54,75.304 -88.54,74.554 -86.54,74.554 hole: -89.04,75.304 -91.04,75.304 -91.04,74.554 -89.04,74.554 hole: -86.54,74.054 -88.54,74.054 -88.54,73.304 -86.54,73.304 hole: -89.04,74.054 -91.04,74.054 -91.04,73.304 -89.04,73.304
  region net +5AV: -74.168,44.45 -75.438,43.18 -88.138,43.18 -88.138,58.166 -86.3,58.166 -86.3,55.314 -78.3,55.314 -78.3,58.166 -74.168,58.166 hole: -78.3,54.814 -82.05,54.814 -82.05,51.814 -78.3,51.814 hole: -82.55,54.814 -86.3,54.814 -86.3,51.814 -82.55,51.814
  text "Designed By:" at 83.212,34.48 h3
  text "M.A.N." at 83.437,25.18 h7
Bottom Layer:
  region net NetD25_2: -78.74,72.898 -78.74,70.866 -78.366,70.492 -78.366,70.16 -76.616,70.16 -76.616,69.66 -78.366,69.66 -78.366,69.342 -83.516,69.342 -83.516,73.406 -79.248,73.406
  region net NetD25_2: -75.171,62.03 -75.171,59.572 -75.171,59.032 -75.354,59.032 -75.354,56.134 -77.054,56.134 -77.054,56.782 -78.554,56.782 -80.054,56.782 -80.054,56.134 -83.53,56.134 -83.53,56.782 -85.03,56.782 -85.03,57.032 -85.28,57.032 -85.28,59.032 -86.106,59.032 -86.106,62.308 -83.516,62.308 -83.516,62.319 -75.46,62.319 hole: -83.53,59.032 -84.78,59.032 -84.78,57.282 -83.53,57.282 hole: -77.054,59.032 -78.304,59.032 -78.304,57.282 -77.054,57.282 hole: -78.804,59.032 -80.054,59.032 -80.054,57.282 -78.804,57.282
  region net +5V: -23.541,-46.617 -23.384,-46.737 -23.355,-46.749 -22.86,-47.244 -20.066,-47.244 -20.066,-49.276 -19.05,-50.292 -12.446,-50.292 -11.684,-49.53 -3.81,-49.53 -3.302,-50.038 -3.302,-51.77 -3.429,-51.795 -3.496,-51.633 -3.624,-51.465 -3.792,-51.337 -3.945,-51.274 -3.945,-52.586 -3.388,-52.586 -3.388,-52.164 -3.261,-52.111 -2.032,-53.34 1.778,-53.34 1.936,-53.498 1.936,-53.79 1.932,-53.793 1.807,-54.01 1.743,-54.251 1.743,-54.502 1.807,-54.743 1.932,-54.96 2.109,-55.137 2.326,-55.262 2.567,-55.327 2.818,-55.327 3.059,-55.262 3.173,-55.196 3.3,-55.269 3.3,-61.003 2.688,-61.616 2.577,-61.781 2.538,-61.976 2.538,-63.246 2.577,-63.441 2.688,-63.606 2.853,-63.717 3.048,-63.756 7.874,-63.756 7.874,-67.056 2.794,-67.056 2.459,-66.721 2.459,-66.692 2.364,-66.339 2.181,-66.022 1.923,-65.764 1.826,-65.708 1.826,-65.013 1.801,-64.817 1.725,-64.635 1.605,-64.478 0.762,-63.635 0.762,-61.722 1.778,-60.706 1.778,-60.392 2.175,-59.995 2.175,-57.745 1.778,-57.348 1.778,-57.15 0.762,-56.134 -0.144,-56.134 -0.259,-56.086 -0.455,-56.06 -3.385,-56.06 -3.422,-55.933 -3.271,-55.783 -3.146,-55.566 -3.115,-55.449 -4.031,-55.449 -4.031,-54.949 -3.115,-54.949 -3.146,-54.833 -3.271,-54.616 -3.448,-54.439 -3.603,-54.35 -3.624,-54.212 -3.622,-54.205 -3.62,-54.201 -3.496,-54.039 -3.416,-53.845 -3.388,-53.636 -3.388,-53.086 -4.195,-53.086 -4.195,-52.836 -4.445,-52.836 -4.445,-51.274 -4.466,-51.283 -4.572,-51.212 -4.572,-50.8 -4.826,-50.546 -8.636,-50.546 -10.922,-52.832 -26.142,-52.832 -26.202,-52.72 -26.124,-52.604 -25.992,-52.285 -25.94,-52.025 -27.675,-52.025 -27.675,-51.525 -25.94,-51.525 -25.992,-51.265 -26.124,-50.946 -26.316,-50.659 -26.559,-50.416 -26.846,-50.224 -27.165,-50.092 -27.495,-50.027 -27.526,-49.979 -27.556,-49.908 -27.432,-49.784 -27.432,-49.698 -27.409,-49.675 -27.289,-49.518 -27.213,-49.336 -27.2,-49.238 -27.188,-49.14 -27.188,-47.108 -27.213,-46.912 -27.289,-46.73 -27.409,-46.573 -27.432,-46.55 -27.432,-46.482 -26.416,-45.466 -24.692,-45.466
  region net +5V: -37.846,-27.178 -37.846,-32.507 -39.883,-34.544 -41.148,-34.544 -41.148,-30.226 -39.878,-28.956 -39.878,-26.416 -37.846,-26.416
  region net +5V: -42.672,-19.558 -42.164,-20.066 -39.375,-20.066 -38.864,-20.576 -40.132,-21.844 -48.016,-21.844 -48.016,-17.589 -47.82,-17.393 -42.672,-17.393
  region net +5V: -70.358,27.686 -70.358,2.286 -67.437,-0.635 -61.651,-0.635 -61.602,-0.752 -73.035,-12.185 -73.152,-12.136 -73.152,23.876 -75.184,23.876 -76.185,24.877 -76.136,24.994 -75.886,24.994 -75.886,26.044 -75.886,27.094 -77.886,27.094 -77.886,26.744 -78.003,26.695 -78.679,27.371 -78.679,27.534 -77.678,28.534 -77.491,28.763 -77.351,29.023 -77.266,29.306 -77.237,29.6 -77.237,29.718 -72.39,29.718 hole: -73.386,27.094 -75.386,27.094 -75.386,26.294 -73.386,26.294 hole: -73.386,25.794 -75.386,25.794 -75.386,24.994 -73.386,24.994 hole: -67.337,-4.009 -67.337,-4.675 -66.67,-4.675 -66.701,-4.559 -66.826,-4.342 -67.003,-4.165 -67.22,-4.04 hole: -67.837,-4.009 -67.953,-4.04 -68.17,-4.165 -68.347,-4.342 -68.472,-4.559 -68.503,-4.675 -67.837,-4.675 hole: -66.67,-5.175 -67.337,-5.175 -67.337,-5.842 -67.22,-5.811 -67.003,-5.686 -66.826,-5.509 -66.701,-5.292 hole: -67.837,-5.175 -68.503,-5.175 -68.472,-5.292 -68.347,-5.509 -68.17,-5.686 -67.953,-5.811 -67.837,-5.842
  region net +5V: -57.15,51.562 -60.452,48.26 -60.452,44.45 -68.326,36.576 -71.882,36.576 -71.882,46.99 -74.422,46.99 -74.422,47.498 -74.248,47.672 -74.035,47.672 -74.035,47.885 -73.402,48.518 -73.285,48.469 -73.285,47.672 -72.56,47.672 -72.56,49.022 -72.31,49.022 -72.31,49.272 -71.335,49.272 -71.335,50.372 -71.636,50.372 -71.685,50.489 -71.628,50.546 -71.628,51.562 -69.596,53.594 -57.15,53.594 hole: -71.335,48.772 -72.06,48.772 -72.06,47.672 -71.335,47.672
  region net +3V3: 7.457,-47.158 7.457,-48.858 7.865,-48.858 7.865,-50.495 7.874,-50.56 7.874,-63.246 3.048,-63.246 3.048,-61.976 3.81,-61.214 3.81,-47.298 5.642,-45.466 7.457,-45.466
  region net GND: 73 vertices and 11 holes, not listed, extent -95.504,23.368 -78.232,76.2
  region net +5AV: -74.168,53.34 -74.768,52.74 -74.768,51.562 -75.018,51.562 -75.018,51.312 -75.918,51.312 -75.918,50.387 -75.985,50.372 -75.985,49.272 -75.01,49.272 -75.01,48.772 -75.985,48.772 -75.985,47.672 -75.194,47.672 -75.145,47.555 -75.731,46.968 -75.789,46.893 -75.946,46.736 -78.486,44.196 -78.486,42.926 -79.502,41.91 -79.502,41.58 -79.544,41.478 -79.579,41.217 -79.579,39.624 -85.09,39.624 -85.583,40.117 -85.534,40.234 -85.03,40.234 -85.03,41.284 -85.03,42.334 -86.106,42.334 -86.106,47.346 -85.03,47.346 -85.03,48.396 -85.03,49.446 -86.106,49.446 -86.106,54.61 -85.852,54.864 -74.168,54.864 hole: -75.268,52.737 -75.918,52.737 -75.918,51.812 -75.268,51.812 hole: -82.53,49.446 -84.53,49.446 -84.53,48.646 -82.53,48.646 hole: -82.53,48.146 -84.53,48.146 -84.53,47.346 -82.53,47.346 hole: -82.53,42.334 -84.53,42.334 -84.53,41.534 -82.53,41.534 hole: -82.53,41.034 -84.53,41.034 -84.53,40.234 -82.53,40.234
  text "TESLA" at 101.544,33.737 h3
  text "ELECTRONIC" at 108.094,29.812 h3
  text "GROUP" at 102.144,25.662 h3

## Silkscreen, mask and mechanical layers (free items; w line width, h text height)
Top Overlay:
  drawing of 5 lines, arcs and shapes, not listed
  text "WWW.TESLAELECTRONIC.IR" at 53.34,62.738 h3
  text "Advance" at -9.906,-22.941 h3
  text "Trainer" at -7.366,-27.345 h3
  text "Board" at -4.826,-31.75 h3
  text "V2" at -2.032,-36.83 h3
Bottom Overlay:
  text "WWW.TESLAELECTRONIC.IR" at 76.708,41.148 h6

## Text inside footprints (layer, text, board x,y; h text height)
12V: Mechanical 1 "Mech 2 - Clearance, move to internal plane if present" at -74.159,105.939 h0.3 r270; Mechanical 1 "Mech 1 - Slot cut-out" at -73.659,105.939 h0.3 r270; Mechanical 1 "Assign keep-out area to slot" at -72.659,105.939 h0.3 r270; Mechanical 1 "Alert PCB fab to slot details" at -73.159,105.939 h0.3 r270
BT1: Top Overlay "BATTERY" at -58.297,10.042 h1.2 r90
CH-LCD1: Top Overlay "LCD" at 72.274,40.68 h5
ISP: Top Overlay "10" at 25.396,-27.804 h1.27; Top Overlay "9" at 25.396,-30.344 h1.27; Top Overlay "1" at 11.68,-30.344 h1.27; Top Overlay "2" at 11.172,-27.804 h1.27
M1: Top Overlay "RET" at 9.15,58.85 h0.85 r270; Top Overlay "D1" at 11.775,58.85 h0.85 r270; Top Overlay "D3" at 14.4,58.85 h0.85 r270; Top Overlay "D5" at 17.025,58.85 h0.85 r270; Top Overlay "D7" at 19.65,58.85 h0.85 r270; Top Overlay "PLK" at 22.275,58.85 h0.85 r270; Top Overlay "VS" at 24.9,58.85 h0.85 r270; Top Overlay "SCL" at 27.525,58.85 h0.85 r270; Top Overlay "3V3" at 30.15,58.85 h0.85 r270; Top Overlay "DGND" at 30.15,49.85 h0.85 r270; Top Overlay "SDA" at 27.525,49.85 h0.85 r270; Top Overlay "HS" at 24.9,49.85 h0.85 r270; Top Overlay "XLK" at 22.275,49.85 h0.85 r270; Top Overlay "D6" at 19.65,49.85 h0.85 r270; Top Overlay "D4" at 17.025,49.85 h0.85 r270; Top Overlay "D2" at 14.4,49.85 h0.85 r270; Top Overlay "D0" at 11.775,49.85 h0.85 r270; Top Overlay "PWDN" at 9.15,49.85 h0.85 r270
P1: Top Overlay "2" at 6.092,79.384 h1.27; Top Overlay "1" at 6.092,76.844 h1.27; Top Overlay "19" at 33.016,76.844 h1.27; Top Overlay "20" at 33.016,79.384 h1.27
RS232: Top Overlay "6" at -13.225,99.45 h1.5; Top Overlay "9" at -1.95,99.525 h1.5; Top Overlay "5" at 1.524,94.488 h1.5; Top Overlay "1" at -15.425,94.45 h1.5
STK200/300: Top Overlay "1" at 25.859,91.725 h1.5; Top Overlay "13" at 58.116,91.725 h1.5; Top Overlay "14" at 26.365,101.225 h1.5; Top Overlay "25" at 56.611,101.225 h1.5
U2: Top Overlay "CPU" at -3.81,18.796 h10